# EAGLE board Mk4 Final Panel 8up 2x4 (EAGLE 9.0.1), part 2 of 23
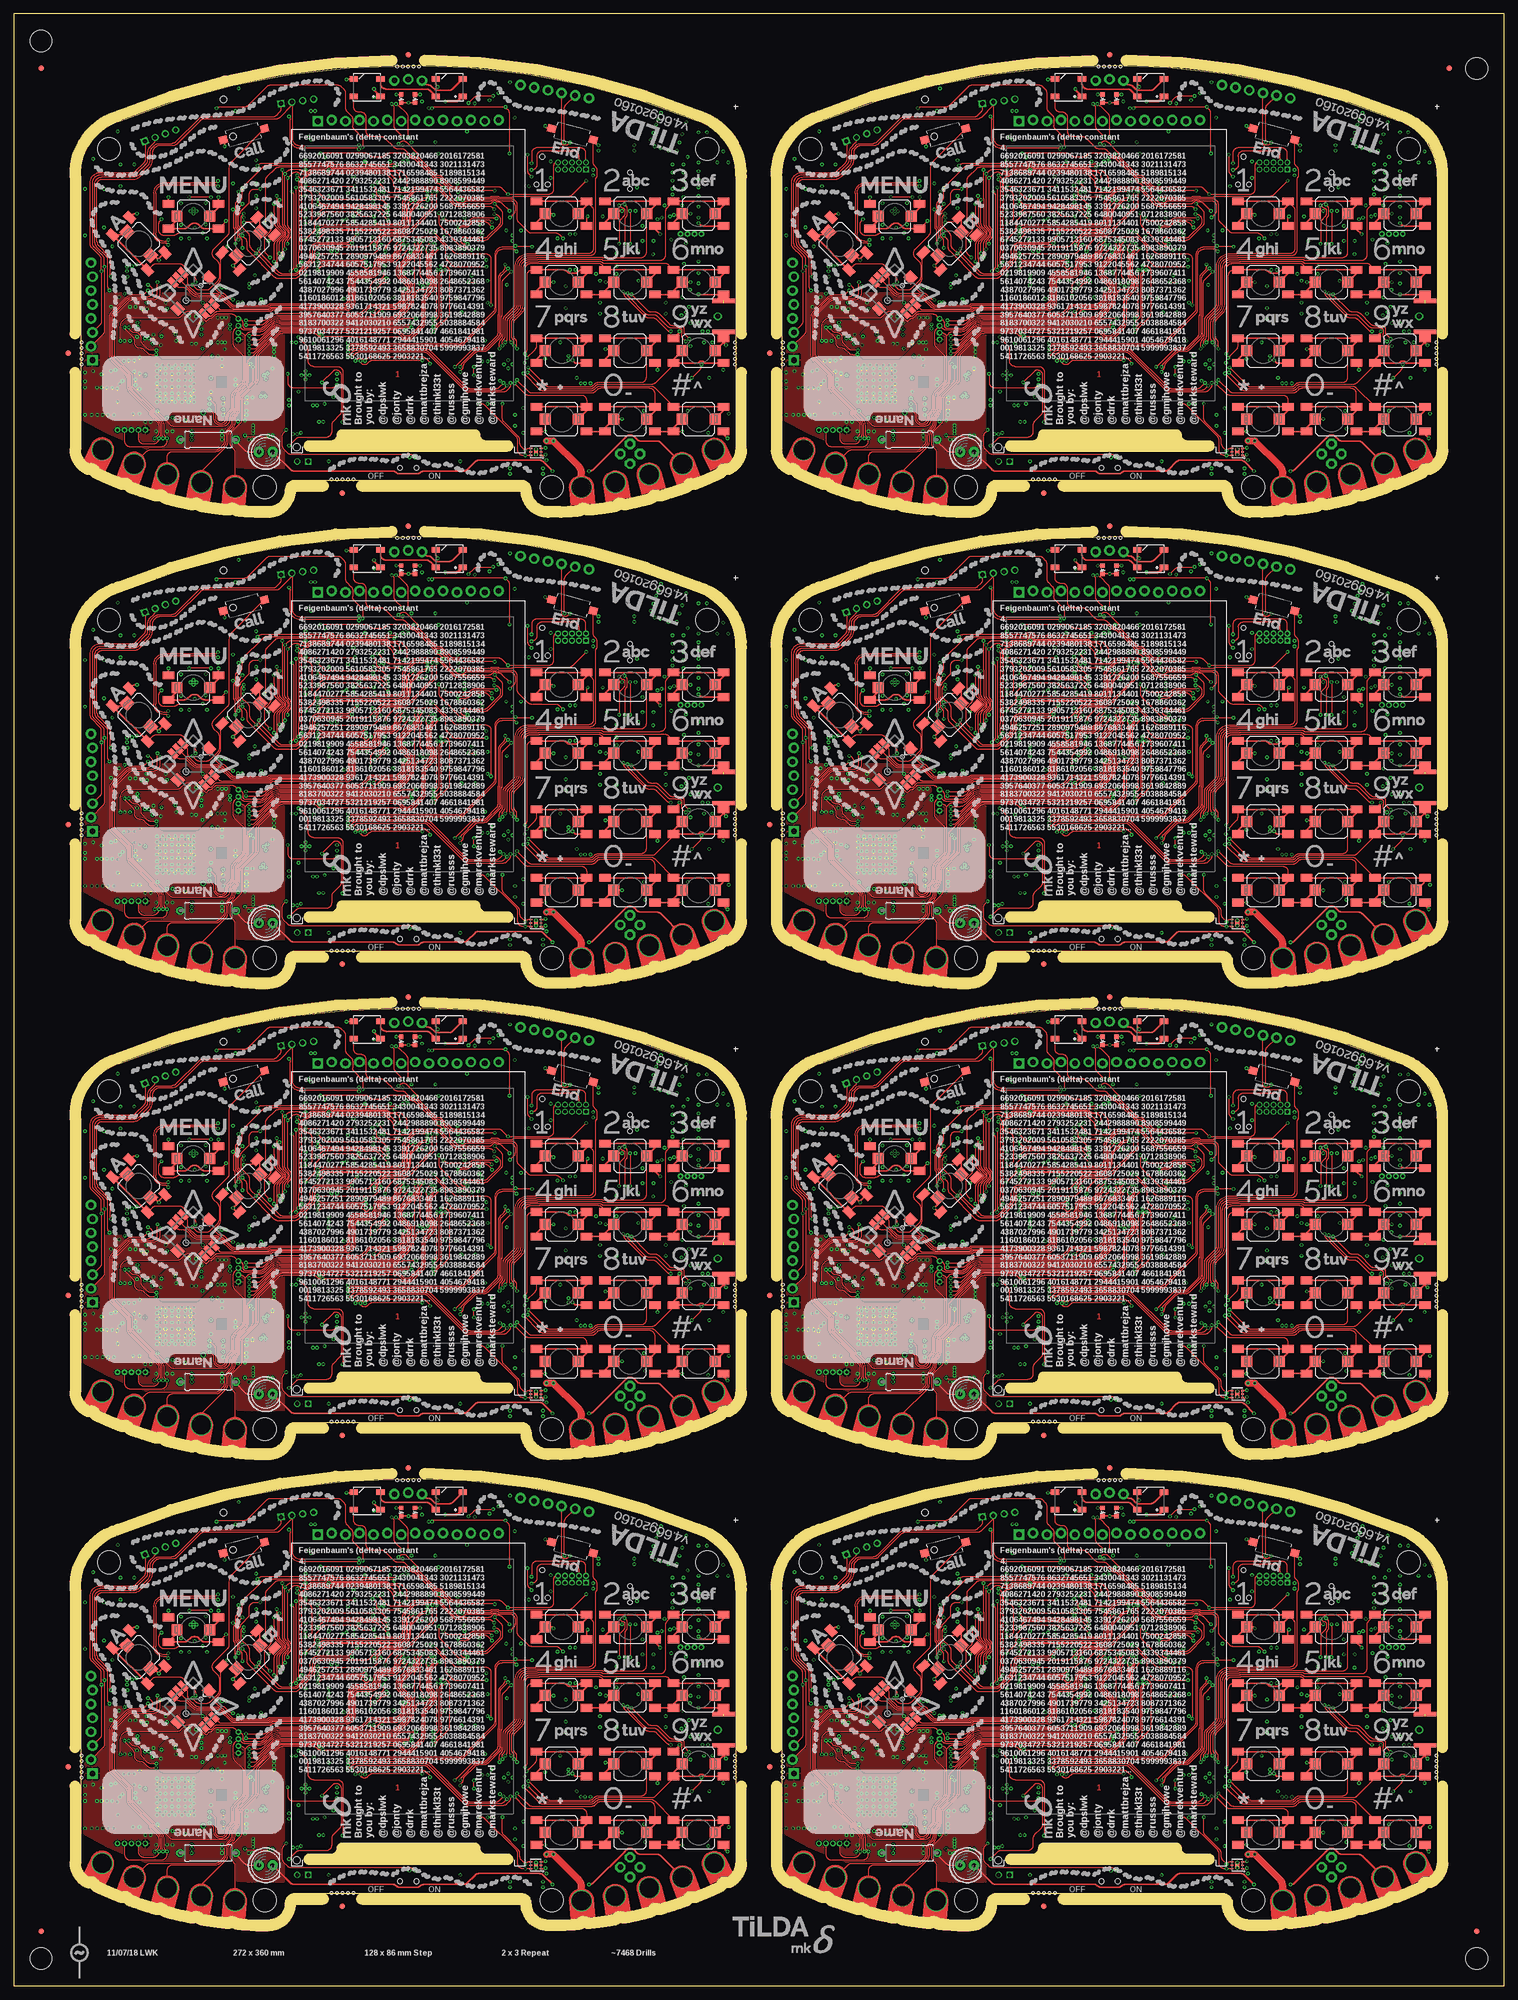
[diagram p0: board, top side]
## Placement (x,y rotation side) (continued)
C504  0402/2n2/10V/X5R  [C0402-SMALLER]  91.5,241.75 0 bottom
C505  0402/100n/10V/X5R  [C0402-SMALLER]  96,239 0 bottom
C506  0402/100n/10V/X5R  [C0402-SMALLER]  96,238 0 bottom
C507  0402/220n/6V3/X5R  [C0402-SMALLER]  35.95,242.45 180 bottom
C508  0402/220n/6V3/X5R  [C0402-SMALLER]  35.95,243.45 180 bottom
C509  0402/100n/10V/X5R  [C0402-SMALLER]  33.05,233.45 270 bottom
C510  0402/100n/10V/X5R  [C0402-SMALLER]  29,221.25 180 bottom
C511  0402/100n/10V/X5R  [C0402-SMALLER]  20.25,213 270 bottom
C512  0402/100n/10V/X5R  [C0402-SMALLER]  23.5,207.25 0 bottom
C513  0805/10u/10V/X5R  [C0805-N]  23.85,218.1 90 bottom
C514  0402/100n/10V/X5R  [C0402-SMALLER]  26.1,214.25 90 bottom
C515  0402/100n/10V/X5R  [C0402-SMALLER]  36.75,210.75 180 bottom
C516  0603/1u/6V3/X5R  [C0603K-SMALL]  23.5,213.75 0 bottom
C517  0603/22u/4V/X5R  [C0603K-SMALL]  33.25,216.75 90 bottom
C518  0603/22u/4V/X5R  [C0603K-SMALL]  32,216.75 90 bottom
C519  0805/10u/10V/X5R  [C0805-N]  38.25,216 270 bottom
C520  0402/4u7/6V3/X5R  [C0402-SMALLER]  27.6,214 90 bottom
C521  0402/4u7/6V3/X5R  [C0402-SMALLER]  33.2,212.5 180 bottom
C522  0402/4u7/6V3/X5R  [C0402-SMALLER]  28.9,214.2 90 bottom
C523  0402/100n/10V/X5R  [C0402-SMALLER]  28,199 270 bottom
C524  0402/100n/10V/X5R  [C0402-SMALLER]  36,206.25 270 bottom
C525  0805/10u/10V/X5R  [C0805-N]  36.5,212.75 180 bottom
C526  0402/100n/10V/X5R  [C0402-SMALLER]  23.5,206.25 0 bottom
C527  0402/100n/10V/X5R  [C0402-SMALLER]  36.75,209.75 180 bottom
C528  0402/100n/10V/X5R  [C0402-SMALLER]  37,202.75 180 bottom
C529  0402/100n/10V/X5R  [C0402-SMALLER]  29,199 270 bottom
C530  0402/12p/50V/C0G  [C0402-SMALLER]  22.95,204.25 270 bottom
C531  0402/12p/50V/C0G  [C0402-SMALLER]  22.95,202.25 90 bottom
C532  0402/12p/50V/C0G  [C0402-SMALLER]  39.75,205.75 270 bottom
C533  0402/12p/50V/C0G  [C0402-SMALLER]  39.75,207.75 90 bottom
C534  0402/100n/10V/X5R  [C0402-SMALLER]  87,203.5 180 bottom
C535  0402/120p/50V/C0G  [C0402-SMALLER]  39.95,198.35 270 bottom
C536  0402/100n/10V/X5R  [C0402-SMALLER]  96.25,194 90 bottom
C537  0402/220n/6V3/X5R  [C0402-SMALLER]  35.95,244.4 180 bottom
C538  0402/220n/6V3/X5R  [C0402-SMALLER]  36,241.5 180 bottom
C539  0402/100n/10V/X5R  [C0402-SMALLER]  91.35,190.5 270 bottom
C540  0402/100n/10V/X5R  [C0402-SMALLER]  98,193.5 270 bottom
C541  0603/4u7/10V/X5R  [C0603K-SMALL]  191.75,224.25 180 bottom
C542  0402/100n/10V/X5R  [C0402-SMALLER]  191.75,223 180 bottom
C543  0603/1u/6V3/X5R  [C0603K-SMALL]  194.75,259.5 270 bottom
C544  0402/100n/10V/X5R  [C0402-SMALLER]  209.75,230.25 0 bottom
C545  0402/100n/10V/X5R  [C0402-SMALLER]  202.5,256.75 270 bottom
C546  0402/100n/10V/X5R  [C0402-SMALLER]  209.5,252.5 0 bottom
C547  0402/100n/10V/X5R  [C0402-SMALLER]  218.45,254.5 270 bottom
C548  0603/2u2/6V3/X5R  [C0603K-SMALL]  211,235.5 0 bottom
C549  0603/1u/6V3/X5R  [C0603K-SMALL]  211,234.25 0 bottom
C550  0402/100n/10V/X5R  [C0402-SMALLER]  201.75,247 270 bottom
C551  0402/100n/10V/X5R  [C0402-SMALLER]  209.5,237.25 90 bottom
C552  0402/100n/10V/X5R  [C0402-SMALLER]  190.75,236.6 270 bottom
C553  0402/100n/10V/X5R  [C0402-SMALLER]  199.5,246.25 0 bottom
C554  0402/100n/10V/X5R  [C0402-SMALLER]  200,227.5 180 bottom
C555  0402/100n/10V/X5R  [C0402-SMALLER]  202.75,227.5 180 bottom
C556  0603/1u/6V3/X5R  [C0603K-SMALL]  202.75,225.75 180 bottom
C557  0402/100n/10V/X5R  [C0402-SMALLER]  198.5,248.25 0 bottom
C558  0402/12p/50V/C0G  [C0402-SMALLER]  202.25,248.45 180 bottom
C559  0402/12p/50V/C0G  [C0402-SMALLER]  204.25,248.45 0 bottom
C560  0402/12p/50V/C0G  [C0402-SMALLER]  193.4,247 180 bottom
C561  0402/12p/50V/C0G  [C0402-SMALLER]  195.4,247 0 bottom
C562  0603/3n3/50V/X7R  [C0603K-SMALL]  216.5,261.5 90 bottom
C563  0402/100n/10V/X5R  [C0402-SMALLER]  214,209.75 180 bottom
C564  0402/100n/10V/X5R  [C0402-SMALLER]  184.25,245.5 0 bottom
C565  0402/100n/10V/X5R  [C0402-SMALLER]  184.25,240.75 0 bottom
C566  0402/100n/10V/X5R  [C0402-SMALLER]  169.25,238.25 180 bottom
C567  0402/100n/10V/X5R  [C0402-SMALLER]  184.25,236.75 0 bottom
C568  0402/100n/10V/X5R  [C0402-SMALLER]  184.25,247 0 bottom
C569  0402/100n/10V/X5R  [C0402-SMALLER]  169.25,243 180 bottom
C570  0402/100n/10V/X5R  [C0402-SMALLER]  184.25,226.25 0 bottom
C571  1411/100u/10V/Tant  [CT3528]  236.25,209.5 90 bottom
C572  0603/4u7/10V/X5R  [C0603K-SMALL]  241.5,211.75 180 bottom
C573  0402/100n/10V/X5R  [C0402-SMALLER]  243.25,214.75 180 bottom
C574  1411/100u/10V/Tant  [CT3528]  232.5,209.5 90 bottom
C575  0805/10u/10V/X5R  [C0805-N]  172.45,202.75 0 bottom
C576  0603/4u7/10V/X5R  [C0603K-SMALL]  173.45,198.35 90 bottom
C577  0805/10u/10V/X5R  [C0805-N]  172.45,200.75 0 bottom
C578  0805/10u/10V/X5R  [C0805-N]  221,199.75 270 bottom
C579  0805/10u/10V/X5R  [C0805-N]  183.75,204 180 bottom
C580  0805/10u/10V/X5R  [C0805-N]  176.75,210.5 90 bottom
C581  0603/4u7/10V/X5R  [C0603K-SMALL]  176.2,208.25 180 bottom
C582  0402/47n/10V/X5R  [C0402-SMALLER]  176.75,207.25 0 bottom
C583  0805/10u/10V/X5R  [C0805-N]  180.25,203 0 bottom
C584  0603/1u/6V3/X5R  [C0603K-SMALL]  177.75,212.75 0 bottom
C585  1210/100u/6V3/X5R  [C1210K]  166,221.25 270 bottom
C586  1210/100u/6V3/X5R  [C1210K]  163.25,197 0 bottom
C587  0402/22p/10V/C0G  [C0402-SMALLER]  241.5,236.5 270 bottom
C588  0402/22p/10V/C0G  [C0402-SMALLER]  238.5,236.5 270 bottom
C589  0402/22p/10V/C0G  [C0402-SMALLER]  236.5,236.5 270 bottom
C590  0402/100n/10V/X5R  [C0402-SMALLER]  255.25,198.25 180 bottom
C591  0402/33p/50V/C0G  [C0402-SMALLER]  238,250 0 bottom
C592  0402/10p/50V/C0G  [C0402-SMALLER]  236,249 0 bottom
C593  0402/33p/50V/C0G  [C0402-SMALLER]  240,250 180 bottom
C594  0402/33p/50V/C0G  [C0402-SMALLER]  236,250 0 bottom
C595  0402/10p/50V/C0G  [C0402-SMALLER]  238,249 0 bottom
C596  0402/10p/50V/C0G  [C0402-SMALLER]  240,249 180 bottom
C597  0402/33p/50V/C0G  [C0402-SMALLER]  229.5,230.5 90 bottom
C598  0402/10p/50V/C0G  [C0402-SMALLER]  230.5,232.5 90 bottom
C599  0402/33p/50V/C0G  [C0402-SMALLER]  229.5,228.5 270 bottom
C600  0402/33p/50V/C0G  [C0402-SMALLER]  229.5,232.5 90 bottom
C601  0402/10p/50V/C0G  [C0402-SMALLER]  230.5,230.5 90 bottom
C602  0402/10p/50V/C0G  [C0402-SMALLER]  230.5,228.5 270 bottom
C603  0402/100n/10V/X5R  [C0402-SMALLER]  219.25,234.45 180 bottom
C604  0402/100n/10V/X5R  [C0402-SMALLER]  234.75,245 270 bottom
C605  [C0402-SMALLER]  251.45,222.1 270 bottom
C606  [C0402-SMALLER]  252,219.5 180 bottom
C607  [C0402-SMALLER]  250.75,249 20 bottom
C608  [C0402-SMALLER]  251.75,251.75 20 bottom
C609  [C0402-SMALLER]  145.75,207.5 270 bottom
C610  [C0402-SMALLER]  142.5,207.5 270 bottom
C611  0402/1n/10V/X5R  [C0402-SMALLER]  221.5,241.75 0 bottom
C612  0402/2n2/10V/X5R  [C0402-SMALLER]  219.5,241.75 0 bottom
C613  0402/100n/10V/X5R  [C0402-SMALLER]  224,239 0 bottom
C614  0402/100n/10V/X5R  [C0402-SMALLER]  224,238 0 bottom
C615  0402/220n/6V3/X5R  [C0402-SMALLER]  163.95,242.45 180 bottom
C616  0402/220n/6V3/X5R  [C0402-SMALLER]  163.95,243.45 180 bottom
C617  0402/100n/10V/X5R  [C0402-SMALLER]  161.05,233.45 270 bottom
C618  0402/100n/10V/X5R  [C0402-SMALLER]  157,221.25 180 bottom
C619  0402/100n/10V/X5R  [C0402-SMALLER]  148.25,213 270 bottom
C620  0402/100n/10V/X5R  [C0402-SMALLER]  151.5,207.25 0 bottom
C621  0805/10u/10V/X5R  [C0805-N]  151.85,218.1 90 bottom
C622  0402/100n/10V/X5R  [C0402-SMALLER]  154.1,214.25 90 bottom
C623  0402/100n/10V/X5R  [C0402-SMALLER]  164.75,210.75 180 bottom
C624  0603/1u/6V3/X5R  [C0603K-SMALL]  151.5,213.75 0 bottom
C625  0603/22u/4V/X5R  [C0603K-SMALL]  161.25,216.75 90 bottom
C626  0603/22u/4V/X5R  [C0603K-SMALL]  160,216.75 90 bottom
C627  0805/10u/10V/X5R  [C0805-N]  166.25,216 270 bottom
C628  0402/4u7/6V3/X5R  [C0402-SMALLER]  155.6,214 90 bottom
C629  0402/4u7/6V3/X5R  [C0402-SMALLER]  161.2,212.5 180 bottom
C630  0402/4u7/6V3/X5R  [C0402-SMALLER]  156.9,214.2 90 bottom
C631  0402/100n/10V/X5R  [C0402-SMALLER]  156,199 270 bottom
C632  0402/100n/10V/X5R  [C0402-SMALLER]  164,206.25 270 bottom
C633  0805/10u/10V/X5R  [C0805-N]  164.5,212.75 180 bottom
C634  0402/100n/10V/X5R  [C0402-SMALLER]  151.5,206.25 0 bottom
C635  0402/100n/10V/X5R  [C0402-SMALLER]  164.75,209.75 180 bottom
C636  0402/100n/10V/X5R  [C0402-SMALLER]  165,202.75 180 bottom
C637  0402/100n/10V/X5R  [C0402-SMALLER]  157,199 270 bottom
C638  0402/12p/50V/C0G  [C0402-SMALLER]  150.95,204.25 270 bottom
C639  0402/12p/50V/C0G  [C0402-SMALLER]  150.95,202.25 90 bottom
C640  0402/12p/50V/C0G  [C0402-SMALLER]  167.75,205.75 270 bottom
C641  0402/12p/50V/C0G  [C0402-SMALLER]  167.75,207.75 90 bottom
C642  0402/100n/10V/X5R  [C0402-SMALLER]  215,203.5 180 bottom
C643  0402/120p/50V/C0G  [C0402-SMALLER]  167.95,198.35 270 bottom
C644  0402/100n/10V/X5R  [C0402-SMALLER]  224.25,194 90 bottom
C645  0402/220n/6V3/X5R  [C0402-SMALLER]  163.95,244.4 180 bottom
C646  0402/220n/6V3/X5R  [C0402-SMALLER]  164,241.5 180 bottom
C647  0402/100n/10V/X5R  [C0402-SMALLER]  219.35,190.5 270 bottom
C648  0402/100n/10V/X5R  [C0402-SMALLER]  226,193.5 270 bottom
C649  0603/4u7/10V/X5R  [C0603K-SMALL]  63.75,310.25 180 bottom
C650  0402/100n/10V/X5R  [C0402-SMALLER]  63.75,309 180 bottom
C651  0603/1u/6V3/X5R  [C0603K-SMALL]  66.75,345.5 270 bottom
C652  0402/100n/10V/X5R  [C0402-SMALLER]  81.75,316.25 0 bottom
C653  0402/100n/10V/X5R  [C0402-SMALLER]  74.5,342.75 270 bottom
C654  0402/100n/10V/X5R  [C0402-SMALLER]  81.5,338.5 0 bottom
C655  0402/100n/10V/X5R  [C0402-SMALLER]  90.45,340.5 270 bottom
C656  0603/2u2/6V3/X5R  [C0603K-SMALL]  83,321.5 0 bottom
C657  0603/1u/6V3/X5R  [C0603K-SMALL]  83,320.25 0 bottom
C658  0402/100n/10V/X5R  [C0402-SMALLER]  73.75,333 270 bottom
C659  0402/100n/10V/X5R  [C0402-SMALLER]  81.5,323.25 90 bottom
C660  0402/100n/10V/X5R  [C0402-SMALLER]  62.75,322.6 270 bottom
C661  0402/100n/10V/X5R  [C0402-SMALLER]  71.5,332.25 0 bottom
C662  0402/100n/10V/X5R  [C0402-SMALLER]  72,313.5 180 bottom
C663  0402/100n/10V/X5R  [C0402-SMALLER]  74.75,313.5 180 bottom
C664  0603/1u/6V3/X5R  [C0603K-SMALL]  74.75,311.75 180 bottom
C665  0402/100n/10V/X5R  [C0402-SMALLER]  70.5,334.25 0 bottom
C666  0402/12p/50V/C0G  [C0402-SMALLER]  74.25,334.45 180 bottom
C667  0402/12p/50V/C0G  [C0402-SMALLER]  76.25,334.45 0 bottom
C668  0402/12p/50V/C0G  [C0402-SMALLER]  65.4,333 180 bottom
C669  0402/12p/50V/C0G  [C0402-SMALLER]  67.4,333 0 bottom
C670  0603/3n3/50V/X7R  [C0603K-SMALL]  88.5,347.5 90 bottom
C671  0402/100n/10V/X5R  [C0402-SMALLER]  86,295.75 180 bottom
C672  0402/100n/10V/X5R  [C0402-SMALLER]  56.25,331.5 0 bottom
C673  0402/100n/10V/X5R  [C0402-SMALLER]  56.25,326.75 0 bottom
C674  0402/100n/10V/X5R  [C0402-SMALLER]  41.25,324.25 180 bottom
C675  0402/100n/10V/X5R  [C0402-SMALLER]  56.25,322.75 0 bottom
C676  0402/100n/10V/X5R  [C0402-SMALLER]  56.25,333 0 bottom
C677  0402/100n/10V/X5R  [C0402-SMALLER]  41.25,329 180 bottom
C678  0402/100n/10V/X5R  [C0402-SMALLER]  56.25,312.25 0 bottom
C679  1411/100u/10V/Tant  [CT3528]  108.25,295.5 90 bottom
C680  0603/4u7/10V/X5R  [C0603K-SMALL]  113.5,297.75 180 bottom
C681  0402/100n/10V/X5R  [C0402-SMALLER]  115.25,300.75 180 bottom
C682  1411/100u/10V/Tant  [CT3528]  104.5,295.5 90 bottom
C683  0805/10u/10V/X5R  [C0805-N]  44.45,288.75 0 bottom
C684  0603/4u7/10V/X5R  [C0603K-SMALL]  45.45,284.35 90 bottom
C685  0805/10u/10V/X5R  [C0805-N]  44.45,286.75 0 bottom
C686  0805/10u/10V/X5R  [C0805-N]  93,285.75 270 bottom
C687  0805/10u/10V/X5R  [C0805-N]  55.75,290 180 bottom
C688  0805/10u/10V/X5R  [C0805-N]  48.75,296.5 90 bottom
C689  0603/4u7/10V/X5R  [C0603K-SMALL]  48.2,294.25 180 bottom
C690  0402/47n/10V/X5R  [C0402-SMALLER]  48.75,293.25 0 bottom
C691  0805/10u/10V/X5R  [C0805-N]  52.25,289 0 bottom
C692  0603/1u/6V3/X5R  [C0603K-SMALL]  49.75,298.75 0 bottom
C693  1210/100u/6V3/X5R  [C1210K]  38,307.25 270 bottom
C694  1210/100u/6V3/X5R  [C1210K]  35.25,283 0 bottom
C695  0402/22p/10V/C0G  [C0402-SMALLER]  113.5,322.5 270 bottom
C696  0402/22p/10V/C0G  [C0402-SMALLER]  110.5,322.5 270 bottom
C697  0402/22p/10V/C0G  [C0402-SMALLER]  108.5,322.5 270 bottom
C698  0402/100n/10V/X5R  [C0402-SMALLER]  127.25,284.25 180 bottom
C699  0402/33p/50V/C0G  [C0402-SMALLER]  110,336 0 bottom
C700  0402/10p/50V/C0G  [C0402-SMALLER]  108,335 0 bottom
C701  0402/33p/50V/C0G  [C0402-SMALLER]  112,336 180 bottom
C702  0402/33p/50V/C0G  [C0402-SMALLER]  108,336 0 bottom
C703  0402/10p/50V/C0G  [C0402-SMALLER]  110,335 0 bottom
C704  0402/10p/50V/C0G  [C0402-SMALLER]  112,335 180 bottom
C705  0402/33p/50V/C0G  [C0402-SMALLER]  101.5,316.5 90 bottom
C706  0402/10p/50V/C0G  [C0402-SMALLER]  102.5,318.5 90 bottom
C707  0402/33p/50V/C0G  [C0402-SMALLER]  101.5,314.5 270 bottom
C708  0402/33p/50V/C0G  [C0402-SMALLER]  101.5,318.5 90 bottom
C709  0402/10p/50V/C0G  [C0402-SMALLER]  102.5,316.5 90 bottom
C710  0402/10p/50V/C0G  [C0402-SMALLER]  102.5,314.5 270 bottom
C711  0402/100n/10V/X5R  [C0402-SMALLER]  91.25,320.45 180 bottom
C712  0402/100n/10V/X5R  [C0402-SMALLER]  106.75,331 270 bottom
C713  [C0402-SMALLER]  123.45,308.1 270 bottom
C714  [C0402-SMALLER]  124,305.5 180 bottom
C715  [C0402-SMALLER]  122.75,335 20 bottom
C716  [C0402-SMALLER]  123.75,337.75 20 bottom
C717  [C0402-SMALLER]  17.75,293.5 270 bottom
C718  [C0402-SMALLER]  14.5,293.5 270 bottom
C719  0402/1n/10V/X5R  [C0402-SMALLER]  93.5,327.75 0 bottom
C720  0402/2n2/10V/X5R  [C0402-SMALLER]  91.5,327.75 0 bottom
C721  0402/100n/10V/X5R  [C0402-SMALLER]  96,325 0 bottom
C722  0402/100n/10V/X5R  [C0402-SMALLER]  96,324 0 bottom
C723  0402/220n/6V3/X5R  [C0402-SMALLER]  35.95,328.45 180 bottom
C724  0402/220n/6V3/X5R  [C0402-SMALLER]  35.95,329.45 180 bottom
C725  0402/100n/10V/X5R  [C0402-SMALLER]  33.05,319.45 270 bottom
C726  0402/100n/10V/X5R  [C0402-SMALLER]  29,307.25 180 bottom
C727  0402/100n/10V/X5R  [C0402-SMALLER]  20.25,299 270 bottom
C728  0402/100n/10V/X5R  [C0402-SMALLER]  23.5,293.25 0 bottom
C729  0805/10u/10V/X5R  [C0805-N]  23.85,304.1 90 bottom
C730  0402/100n/10V/X5R  [C0402-SMALLER]  26.1,300.25 90 bottom
C731  0402/100n/10V/X5R  [C0402-SMALLER]  36.75,296.75 180 bottom
C732  0603/1u/6V3/X5R  [C0603K-SMALL]  23.5,299.75 0 bottom
C733  0603/22u/4V/X5R  [C0603K-SMALL]  33.25,302.75 90 bottom
C734  0603/22u/4V/X5R  [C0603K-SMALL]  32,302.75 90 bottom
C735  0805/10u/10V/X5R  [C0805-N]  38.25,302 270 bottom
C736  0402/4u7/6V3/X5R  [C0402-SMALLER]  27.6,300 90 bottom
C737  0402/4u7/6V3/X5R  [C0402-SMALLER]  33.2,298.5 180 bottom
C738  0402/4u7/6V3/X5R  [C0402-SMALLER]  28.9,300.2 90 bottom
C739  0402/100n/10V/X5R  [C0402-SMALLER]  28,285 270 bottom
C740  0402/100n/10V/X5R  [C0402-SMALLER]  36,292.25 270 bottom
C741  0805/10u/10V/X5R  [C0805-N]  36.5,298.75 180 bottom
C742  0402/100n/10V/X5R  [C0402-SMALLER]  23.5,292.25 0 bottom
C743  0402/100n/10V/X5R  [C0402-SMALLER]  36.75,295.75 180 bottom
C744  0402/100n/10V/X5R  [C0402-SMALLER]  37,288.75 180 bottom
C745  0402/100n/10V/X5R  [C0402-SMALLER]  29,285 270 bottom
C746  0402/12p/50V/C0G  [C0402-SMALLER]  22.95,290.25 270 bottom
C747  0402/12p/50V/C0G  [C0402-SMALLER]  22.95,288.25 90 bottom
C748  0402/12p/50V/C0G  [C0402-SMALLER]  39.75,291.75 270 bottom
C749  0402/12p/50V/C0G  [C0402-SMALLER]  39.75,293.75 90 bottom
C750  0402/100n/10V/X5R  [C0402-SMALLER]  87,289.5 180 bottom
C751  0402/120p/50V/C0G  [C0402-SMALLER]  39.95,284.35 270 bottom
C752  0402/100n/10V/X5R  [C0402-SMALLER]  96.25,280 90 bottom
C753  0402/220n/6V3/X5R  [C0402-SMALLER]  35.95,330.4 180 bottom
C754  0402/220n/6V3/X5R  [C0402-SMALLER]  36,327.5 180 bottom
C755  0402/100n/10V/X5R  [C0402-SMALLER]  91.35,276.5 270 bottom
C756  0402/100n/10V/X5R  [C0402-SMALLER]  98,279.5 270 bottom
C757  0603/4u7/10V/X5R  [C0603K-SMALL]  191.75,310.25 180 bottom
C758  0402/100n/10V/X5R  [C0402-SMALLER]  191.75,309 180 bottom
C759  0603/1u/6V3/X5R  [C0603K-SMALL]  194.75,345.5 270 bottom
C760  0402/100n/10V/X5R  [C0402-SMALLER]  209.75,316.25 0 bottom
C761  0402/100n/10V/X5R  [C0402-SMALLER]  202.5,342.75 270 bottom
C762  0402/100n/10V/X5R  [C0402-SMALLER]  209.5,338.5 0 bottom
C763  0402/100n/10V/X5R  [C0402-SMALLER]  218.45,340.5 270 bottom
C764  0603/2u2/6V3/X5R  [C0603K-SMALL]  211,321.5 0 bottom
C765  0603/1u/6V3/X5R  [C0603K-SMALL]  211,320.25 0 bottom
C766  0402/100n/10V/X5R  [C0402-SMALLER]  201.75,333 270 bottom
C767  0402/100n/10V/X5R  [C0402-SMALLER]  209.5,323.25 90 bottom
C768  0402/100n/10V/X5R  [C0402-SMALLER]  190.75,322.6 270 bottom
C769  0402/100n/10V/X5R  [C0402-SMALLER]  199.5,332.25 0 bottom
C770  0402/100n/10V/X5R  [C0402-SMALLER]  200,313.5 180 bottom
C771  0402/100n/10V/X5R  [C0402-SMALLER]  202.75,313.5 180 bottom
C772  0603/1u/6V3/X5R  [C0603K-SMALL]  202.75,311.75 180 bottom
C773  0402/100n/10V/X5R  [C0402-SMALLER]  198.5,334.25 0 bottom
C774  0402/12p/50V/C0G  [C0402-SMALLER]  202.25,334.45 180 bottom
C775  0402/12p/50V/C0G  [C0402-SMALLER]  204.25,334.45 0 bottom
C776  0402/12p/50V/C0G  [C0402-SMALLER]  193.4,333 180 bottom
C777  0402/12p/50V/C0G  [C0402-SMALLER]  195.4,333 0 bottom
C778  0603/3n3/50V/X7R  [C0603K-SMALL]  216.5,347.5 90 bottom
C779  0402/100n/10V/X5R  [C0402-SMALLER]  214,295.75 180 bottom
C780  0402/100n/10V/X5R  [C0402-SMALLER]  184.25,331.5 0 bottom
C781  0402/100n/10V/X5R  [C0402-SMALLER]  184.25,326.75 0 bottom
C782  0402/100n/10V/X5R  [C0402-SMALLER]  169.25,324.25 180 bottom
C783  0402/100n/10V/X5R  [C0402-SMALLER]  184.25,322.75 0 bottom
C784  0402/100n/10V/X5R  [C0402-SMALLER]  184.25,333 0 bottom
C785  0402/100n/10V/X5R  [C0402-SMALLER]  169.25,329 180 bottom
C786  0402/100n/10V/X5R  [C0402-SMALLER]  184.25,312.25 0 bottom
C787  1411/100u/10V/Tant  [CT3528]  236.25,295.5 90 bottom
C788  0603/4u7/10V/X5R  [C0603K-SMALL]  241.5,297.75 180 bottom
C789  0402/100n/10V/X5R  [C0402-SMALLER]  243.25,300.75 180 bottom
C790  1411/100u/10V/Tant  [CT3528]  232.5,295.5 90 bottom
C791  0805/10u/10V/X5R  [C0805-N]  172.45,288.75 0 bottom
C792  0603/4u7/10V/X5R  [C0603K-SMALL]  173.45,284.35 90 bottom
C793  0805/10u/10V/X5R  [C0805-N]  172.45,286.75 0 bottom
C794  0805/10u/10V/X5R  [C0805-N]  221,285.75 270 bottom
C795  0805/10u/10V/X5R  [C0805-N]  183.75,290 180 bottom
C796  0805/10u/10V/X5R  [C0805-N]  176.75,296.5 90 bottom
C797  0603/4u7/10V/X5R  [C0603K-SMALL]  176.2,294.25 180 bottom
C798  0402/47n/10V/X5R  [C0402-SMALLER]  176.75,293.25 0 bottom
C799  0805/10u/10V/X5R  [C0805-N]  180.25,289 0 bottom
C800  0603/1u/6V3/X5R  [C0603K-SMALL]  177.75,298.75 0 bottom
C801  1210/100u/6V3/X5R  [C1210K]  166,307.25 270 bottom
C802  1210/100u/6V3/X5R  [C1210K]  163.25,283 0 bottom
C803  0402/22p/10V/C0G  [C0402-SMALLER]  241.5,322.5 270 bottom
C804  0402/22p/10V/C0G  [C0402-SMALLER]  238.5,322.5 270 bottom
C805  0402/22p/10V/C0G  [C0402-SMALLER]  236.5,322.5 270 bottom
C806  0402/100n/10V/X5R  [C0402-SMALLER]  255.25,284.25 180 bottom
C807  0402/33p/50V/C0G  [C0402-SMALLER]  238,336 0 bottom
C808  0402/10p/50V/C0G  [C0402-SMALLER]  236,335 0 bottom
C809  0402/33p/50V/C0G  [C0402-SMALLER]  240,336 180 bottom
C810  0402/33p/50V/C0G  [C0402-SMALLER]  236,336 0 bottom
C811  0402/10p/50V/C0G  [C0402-SMALLER]  238,335 0 bottom
C812  0402/10p/50V/C0G  [C0402-SMALLER]  240,335 180 bottom
C813  0402/33p/50V/C0G  [C0402-SMALLER]  229.5,316.5 90 bottom
C814  0402/10p/50V/C0G  [C0402-SMALLER]  230.5,318.5 90 bottom
C815  0402/33p/50V/C0G  [C0402-SMALLER]  229.5,314.5 270 bottom
C816  0402/33p/50V/C0G  [C0402-SMALLER]  229.5,318.5 90 bottom
C817  0402/10p/50V/C0G  [C0402-SMALLER]  230.5,316.5 90 bottom
C818  0402/10p/50V/C0G  [C0402-SMALLER]  230.5,314.5 270 bottom
C819  0402/100n/10V/X5R  [C0402-SMALLER]  219.25,320.45 180 bottom
C820  0402/100n/10V/X5R  [C0402-SMALLER]  234.75,331 270 bottom
C821  [C0402-SMALLER]  251.45,308.1 270 bottom
C822  [C0402-SMALLER]  252,305.5 180 bottom
C823  [C0402-SMALLER]  250.75,335 20 bottom
C824  [C0402-SMALLER]  251.75,337.75 20 bottom
C825  [C0402-SMALLER]  145.75,293.5 270 bottom
C826  [C0402-SMALLER]  142.5,293.5 270 bottom
C827  0402/1n/10V/X5R  [C0402-SMALLER]  221.5,327.75 0 bottom
C828  0402/2n2/10V/X5R  [C0402-SMALLER]  219.5,327.75 0 bottom
C829  0402/100n/10V/X5R  [C0402-SMALLER]  224,325 0 bottom
C830  0402/100n/10V/X5R  [C0402-SMALLER]  224,324 0 bottom
C831  0402/220n/6V3/X5R  [C0402-SMALLER]  163.95,328.45 180 bottom
C832  0402/220n/6V3/X5R  [C0402-SMALLER]  163.95,329.45 180 bottom
C833  0402/100n/10V/X5R  [C0402-SMALLER]  161.05,319.45 270 bottom
C834  0402/100n/10V/X5R  [C0402-SMALLER]  157,307.25 180 bottom
C835  0402/100n/10V/X5R  [C0402-SMALLER]  148.25,299 270 bottom
C836  0402/100n/10V/X5R  [C0402-SMALLER]  151.5,293.25 0 bottom
C837  0805/10u/10V/X5R  [C0805-N]  151.85,304.1 90 bottom
C838  0402/100n/10V/X5R  [C0402-SMALLER]  154.1,300.25 90 bottom
C839  0402/100n/10V/X5R  [C0402-SMALLER]  164.75,296.75 180 bottom
C840  0603/1u/6V3/X5R  [C0603K-SMALL]  151.5,299.75 0 bottom
C841  0603/22u/4V/X5R  [C0603K-SMALL]  161.25,302.75 90 bottom
C842  0603/22u/4V/X5R  [C0603K-SMALL]  160,302.75 90 bottom
C843  0805/10u/10V/X5R  [C0805-N]  166.25,302 270 bottom
C844  0402/4u7/6V3/X5R  [C0402-SMALLER]  155.6,300 90 bottom
C845  0402/4u7/6V3/X5R  [C0402-SMALLER]  161.2,298.5 180 bottom
C846  0402/4u7/6V3/X5R  [C0402-SMALLER]  156.9,300.2 90 bottom
C847  0402/100n/10V/X5R  [C0402-SMALLER]  156,285 270 bottom
C848  0402/100n/10V/X5R  [C0402-SMALLER]  164,292.25 270 bottom
C849  0805/10u/10V/X5R  [C0805-N]  164.5,298.75 180 bottom
C850  0402/100n/10V/X5R  [C0402-SMALLER]  151.5,292.25 0 bottom
C851  0402/100n/10V/X5R  [C0402-SMALLER]  164.75,295.75 180 bottom
C852  0402/100n/10V/X5R  [C0402-SMALLER]  165,288.75 180 bottom
C853  0402/100n/10V/X5R  [C0402-SMALLER]  157,285 270 bottom
C854  0402/12p/50V/C0G  [C0402-SMALLER]  150.95,290.25 270 bottom
C855  0402/12p/50V/C0G  [C0402-SMALLER]  150.95,288.25 90 bottom
C856  0402/12p/50V/C0G  [C0402-SMALLER]  167.75,291.75 270 bottom
C857  0402/12p/50V/C0G  [C0402-SMALLER]  167.75,293.75 90 bottom
C858  0402/100n/10V/X5R  [C0402-SMALLER]  215,289.5 180 bottom
C859  0402/120p/50V/C0G  [C0402-SMALLER]  167.95,284.35 270 bottom
C860  0402/100n/10V/X5R  [C0402-SMALLER]  224.25,280 90 bottom
C861  0402/220n/6V3/X5R  [C0402-SMALLER]  163.95,330.4 180 bottom
C862  0402/220n/6V3/X5R  [C0402-SMALLER]  164,327.5 180 bottom
C863  0402/100n/10V/X5R  [C0402-SMALLER]  219.35,276.5 270 bottom
C864  0402/100n/10V/X5R  [C0402-SMALLER]  226,279.5 270 bottom
D1  MMSZ5231BT1G  [SOD123]  111,37.5 90 bottom
D2  LXES15AAA1-153  [R0402-SMALLER]  124,46.5 0 bottom
D3  MMSZ5231BT1G  [SOD123]  239,37.5 90 bottom
D4  LXES15AAA1-153  [R0402-SMALLER]  252,46.5 0 bottom
D5  MMSZ5231BT1G  [SOD123]  111,123.5 90 bottom
D6  LXES15AAA1-153  [R0402-SMALLER]  124,132.5 0 bottom
D7  MMSZ5231BT1G  [SOD123]  239,123.5 90 bottom
D8  LXES15AAA1-153  [R0402-SMALLER]  252,132.5 0 bottom
D9  MMSZ5231BT1G  [SOD123]  111,209.5 90 bottom
D10  LXES15AAA1-153  [R0402-SMALLER]  124,218.5 0 bottom
D11  MMSZ5231BT1G  [SOD123]  239,209.5 90 bottom
D12  LXES15AAA1-153  [R0402-SMALLER]  252,218.5 0 bottom
D13  MMSZ5231BT1G  [SOD123]  111,295.5 90 bottom
D14  LXES15AAA1-153  [R0402-SMALLER]  124,304.5 0 bottom
D15  MMSZ5231BT1G  [SOD123]  239,295.5 90 bottom
D16  LXES15AAA1-153  [R0402-SMALLER]  252,304.5 0 bottom
E$1  [FIDUCIAL-1X2.5-STOP]  267,10 0 top
E$2  [FIDUCIAL-1X2.5-STOP]  262,350 0 top
E$3  [FIDUCIAL-1X2.5-STOP]  5,350 0 top
E$4  [TILDA_ARTWORK]  131,9 0 top
E$5  [EMFLOGO1]  12,6 0 top
E$6  [FIDUCIAL-1X2.5-STOP]  5,10 0 bottom
E$7  [FIDUCIAL-1X2.5-STOP]  5,350 0 bottom
E$8  [FIDUCIAL-1X2.5-STOP]  262,350 0 bottom
E$9  [FIDUCIAL-1X2.5-STOP]  267,10 0 bottom
E$10  [FIDUCIAL-1X2.5-STOP]  5,10 0 top
E$11  [TILDA_ARTWORK_MKDELTA]  142,6 0 top
FID1  FIDUCIAL1X2.5-STOP  [FIDUCIAL-1X2.5-STOP]  60,14.5 270 top
FID2  FIDUCIAL1X2.5-STOP  [FIDUCIAL-1X2.5-STOP]  10,40 180 bottom
FID3  FIDUCIAL1X2.5-STOP  [FIDUCIAL-1X2.5-STOP]  72,94.5 180 top
FID4  FIDUCIAL1X2.5-STOP  [FIDUCIAL-1X2.5-STOP]  72,94.5 180 bottom
FID5  FIDUCIAL1X2.5-STOP  [FIDUCIAL-1X2.5-STOP]  10,40 180 top
FID6  FIDUCIAL1X2.5-STOP  [FIDUCIAL-1X2.5-STOP]  60,14.5 270 bottom
FID7  FIDUCIAL1X2.5-STOP  [FIDUCIAL-1X2.5-STOP]  188,14.5 270 top
FID8  FIDUCIAL1X2.5-STOP  [FIDUCIAL-1X2.5-STOP]  200,94.5 180 bottom
FID9  FIDUCIAL1X2.5-STOP  [FIDUCIAL-1X2.5-STOP]  200,94.5 180 top
FID10  FIDUCIAL1X2.5-STOP  [FIDUCIAL-1X2.5-STOP]  188,14.5 270 bottom
FID11  FIDUCIAL1X2.5-STOP  [FIDUCIAL-1X2.5-STOP]  138,40 180 bottom
FID12  FIDUCIAL1X2.5-STOP  [FIDUCIAL-1X2.5-STOP]  138,40 180 top
FID13  FIDUCIAL1X2.5-STOP  [FIDUCIAL-1X2.5-STOP]  60,100.5 270 top
FID14  FIDUCIAL1X2.5-STOP  [FIDUCIAL-1X2.5-STOP]  72,180.5 180 bottom
FID15  FIDUCIAL1X2.5-STOP  [FIDUCIAL-1X2.5-STOP]  72,180.5 180 top
FID16  FIDUCIAL1X2.5-STOP  [FIDUCIAL-1X2.5-STOP]  60,100.5 270 bottom
FID17  FIDUCIAL1X2.5-STOP  [FIDUCIAL-1X2.5-STOP]  10,126 180 bottom
FID18  FIDUCIAL1X2.5-STOP  [FIDUCIAL-1X2.5-STOP]  10,126 180 top
FID19  FIDUCIAL1X2.5-STOP  [FIDUCIAL-1X2.5-STOP]  188,100.5 270 top